# Altium PCB Generic_PCB.PcbDoc (part 1 of 2) (continued)
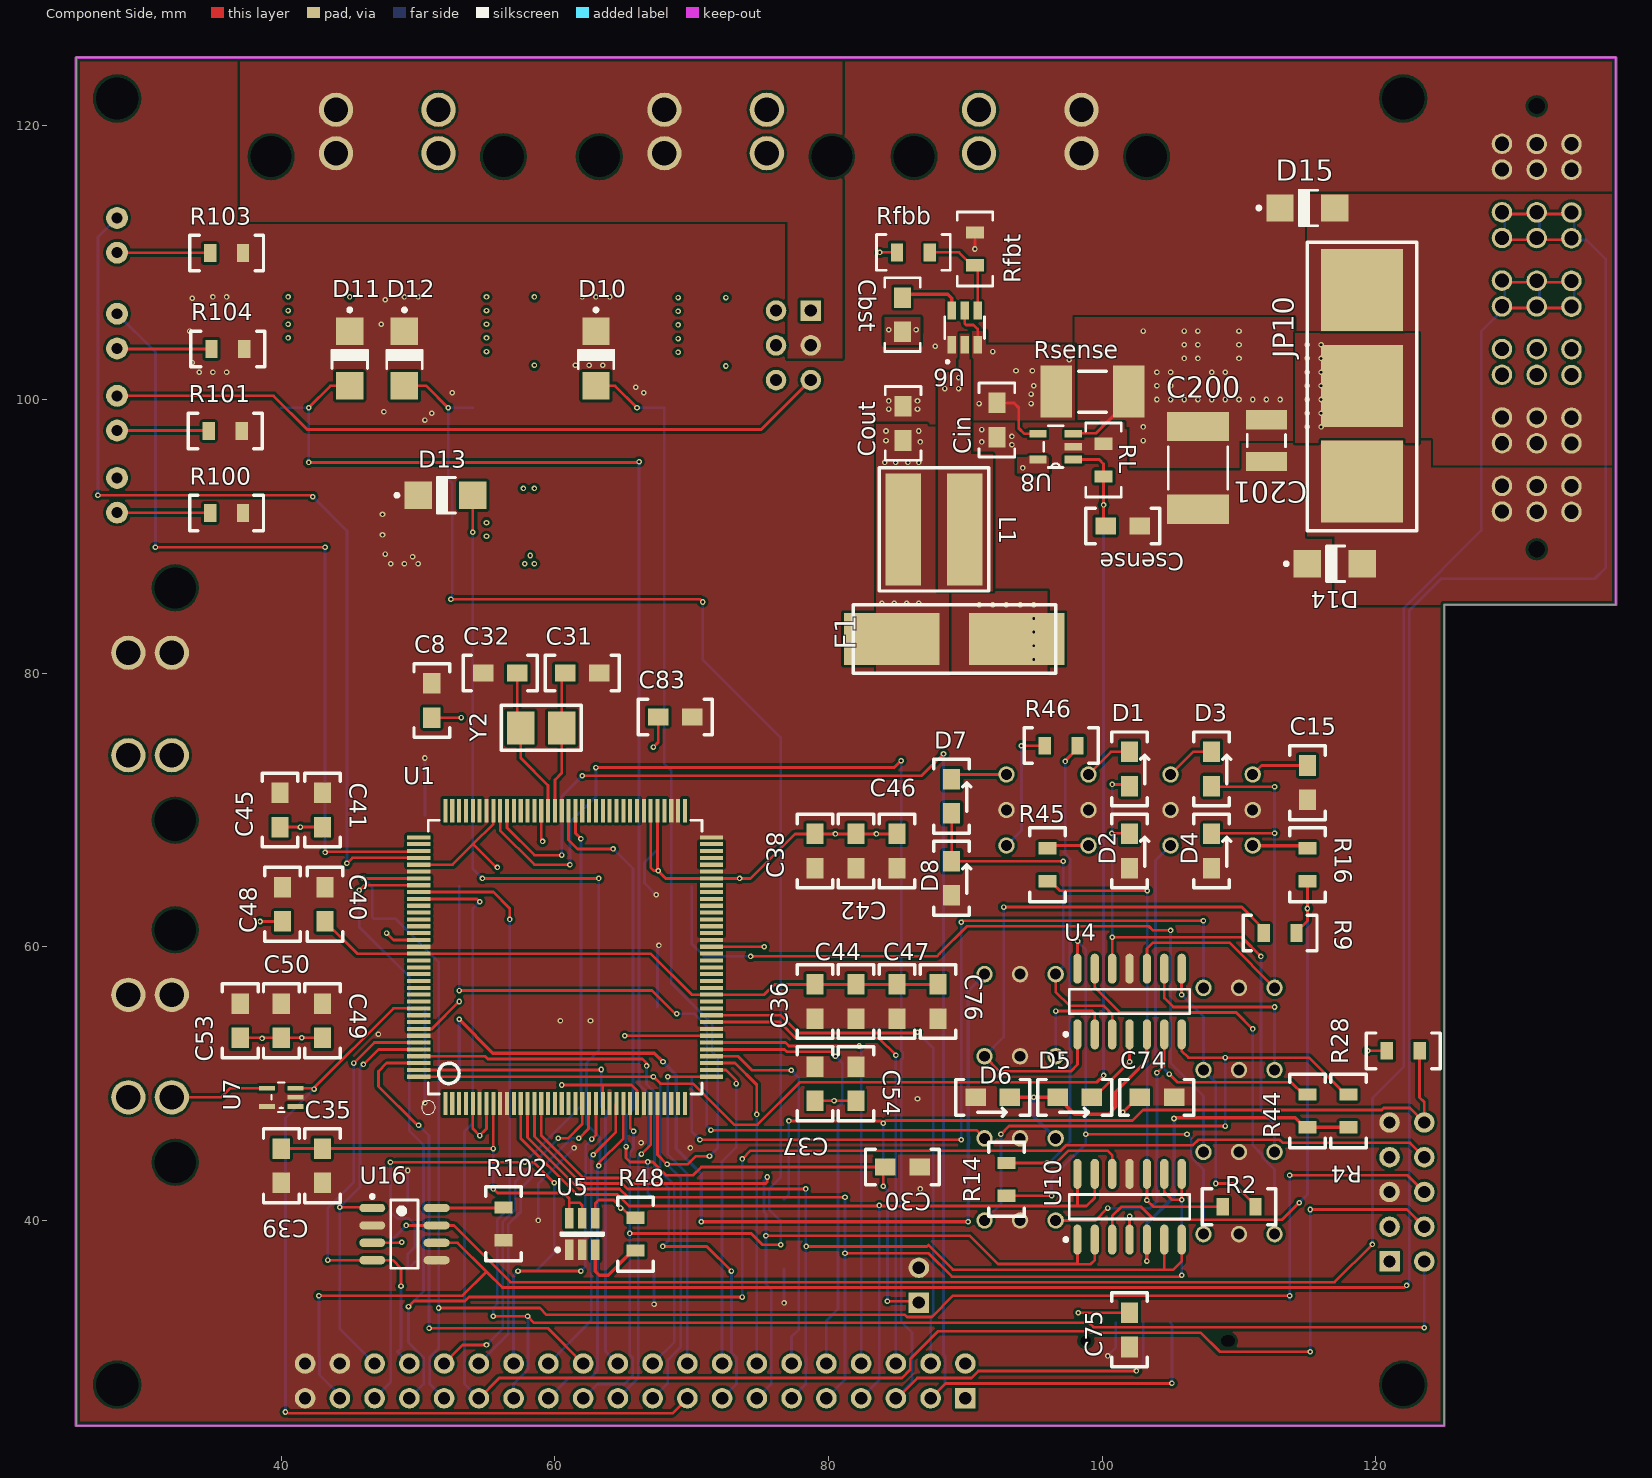
[diagram p0: Component Side view]
## Components (designator, comment, footprint, x,y, rotation, side; value= is the part's Value field where it differs from the comment) (continued)
CONN "TLPG5600" TLPR5600 28,112 r180 bottom
Cout "0805 Cap" "0805 Cap" 85.45,98.255 r90 top value=47uF
Csense "0805 Cap" "0805 Cap" 101.5,90.75 r0 top value=100nF
D1 "SD0805S040S0R5" "0805 Diode" 102,73 r270 top
D2 "SD0805S040S0R5" "0805 Diode" 102,67 r270 top
D3 "SD0805S040S0R5" "0805 Diode" 108,73 r270 top
D4 "SD0805S040S0R5" "0805 Diode" 108,67 r270 top
D5 "SD0805S040S0R5" "0805 Diode" 98,49 r180 top
D6 "SD0805S040S0R5" "0805 Diode" 92,49 r180 top
D7 "SD0805S040S0R5" "0805 Diode" 89,71 r270 top
D8 "SD0805S040S0R5" "0805 Diode" 89,65 r270 top
D10 "1SMA10CAT3G" ONSC-SMA-2-403D-02_F_V 63,103 r270 top
D11 "1SMA10CAT3G" ONSC-SMA-2-403D-02_F_V 45,103 r270 top
D12 "1SMA10CAT3G" ONSC-SMA-2-403D-02_F_V 49,103 r270 top
D13 "1SMA10CAT3G" ONSC-SMA-2-403D-02_F_V 52,93 r0 top
D14 "1SMA24CAT3G" ONSC-SMA-2-403D-02_F_V 117,88 r0 top
D15 "1SMA24CAT3G" ONSC-SMA-2-403D-02_F_V 115,114 r0 top
F1 "0154003.DR" 0154003.DR 86,82.5 r180 top
F2 "3587-15TR" 3587-15TR 111,101 r180 bottom
J1 "Header 5X2" HDR2X5 121,37 r90 bottom
JP1 "Header 2" HDR1X2 86.6,34 r90 bottom
JP10 "Bridge" "SOLDER JOINT" 119,101 r90 top
L1 "SRN8040-2R2Y" SRN8040 87.7,90.505 r0 top value=22uH
P1 "Header 20X2" HDR2X20 90,27 r180 bottom
P4 "MPT" MPT 126.37,105.25 r90 bottom
P5 "3 Pin Connector" "XA CONNECTOR" 70,67 r180 bottom
P6 "3 Pin Connector" "XA CONNECTOR" 70,53 r180 bottom
P7 "3 Pin Connector" "XA CONNECTOR" 53,67 r180 bottom
P8 "3 Pin Connector" "XA CONNECTOR" 53,53 r180 bottom
P9 "3 Pin Connector" "XA CONNECTOR" 68,102 r180 bottom
P10 "3 Pin Connector" "XA CONNECTOR" 40,102 r180 bottom
P11 "3 Pin Connector" "XA CONNECTOR" 54,102 r180 bottom
P12 "3 Pin Connector" "XA CONNECTOR" 54,88 r180 bottom
P17 "4 Pin Header" "PA CONNECTOR" 103,31 r180 bottom
P19 "Molex 0431600102" "Molex 0431600102" 32,74 r270 bottom
P20 "Molex 0431600102" "Molex 0431600102" 44,118 r180 bottom
P21 "Molex 0431600102" "Molex 0431600102" 32,49 r270 bottom
P22 "Molex 0431600102" "Molex 0431600102" 68,118 r180 bottom
P23 "Molex 0431600102" "Molex 0431600102" 91,118 r180 bottom
P27 "Header 3X2" HDR2X3 78.7,106.5 r270 bottom
PWR "TLPR5600" TLPR5600 28,93 r180 bottom
R2 "0805 Resistor" "0805 Resistor" 110,41 r0 top value=100K
R4 "0805 Resistor" "0805 Resistor" 118,48 r90 top value=100K
R9 "0805 Resistor" "0805 Resistor" 113,61 r180 top value=100K
R14 "0805 Resistor" "0805 Resistor" 93,43 r270 top value=100K
R16 "0805 Resistor" "0805 Resistor" 115,66 r90 top value=100K
R28 "0805 Resistor" "0805 Resistor" 122,52.4 r0 top value=10K
R44 "0805 Resistor" "0805 Resistor" 115,48 r90 top value=100K
R45 "0805 Resistor" "0805 Resistor" 96,66 r90 top value=100K
R46 "0805 Resistor" "0805 Resistor" 97,74.7 r180 top value=100K
R48 "0805 Resistor" "0805 Resistor" 65.9,39 r90 top value=10K
R100 "0805 Resistor" "0805 Resistor" 36,91.7 r180 top value=100R
R101 "0805 Resistor" "0805 Resistor" 35.9,97.7 r0 top value=100R
R102 "0805 Resistor" "0805 Resistor" 56.25,39.75 r270 top value=100K
R103 "0805 Resistor" "0805 Resistor" 36,110.7 r0 top value=100
R104 "0805 Resistor" "0805 Resistor" 36.1,103.7 r0 top value=100
Rfbb "0805 Resistor" "0805 Resistor" 86.2,110.755 r0 top value=10K
Rfbt "33.2K" "0805 Resistor" 90.7,111.005 r90 top
RL "0805 Resistor" "0805 Resistor" 100.1,95.578 r90 top value=150K
Rsense "PMR100HZPFU5L00" PMR100HZPFU5L00 99.3,100.578 r180 top value=0.005R
Rshift1 "1-1623849-0" "4290 SERIES TRIMMER" 111,70 r90 bottom
Rshift2 "1-1623849-0" "4290 SERIES TRIMMER" 105,70 r90 bottom
Rshift3 "1-1623849-0" "4290 SERIES TRIMMER" 99,70 r90 bottom
Rshift4 "1-1623849-0" "4290 SERIES TRIMMER" 93,70 r90 bottom
SMALL1 "1-1623849-0" "4290 SERIES TRIMMER" 94,58 r180 bottom
SMALL2 "1-1623849-0" "4290 SERIES TRIMMER" 94,46 r180 bottom
SMALL3 "1-1623849-0" "4290 SERIES TRIMMER" 110,57 r180 bottom
SMALL4 "1-1623849-0" "4290 SERIES TRIMMER" 110,45 r180 bottom
SW1 "B3S-1000P" B3S-1000P 54,39 r180 bottom
SW6 "B3S-1000P" B3S-1000P 72,39 r180 bottom
U1 "TM4C123GH6PGE" TM4C123GH6PGE 60.75,59.25 r90 top
U4 "TLV2374IDR" TI-D14_N 102,56 r90 top
U5 "REF3230AIDBVT" TI-DBV6_N 62,39 r90 top
U6 "TPS563200DDCR" SOT95P280X110-6N 89.95,105.255 r90 top
U7 "TMP20AIDCKR" TMP20AIDCKR 40,49 r180 top
U8 "INA138NA/250" SOT95P280X145-5N 96.6,96.553 r180 top
U10 "TLV2374IDR" TI-D14_N 102,41 r90 top
U16 "SN65HVD233DR" D8_L 49,39 r0 top
USER "TLPG5600" TLPR5600 28,105 r180 bottom
VIN "TLPR5600" TLPR5600 28,99 r180 bottom
Y2 "16MHz" NX5032GA 59,76 r180 top

## Footprints (in the part's own frame and the unit in brackets; to place one, negate y for a bottom-side part, rotate by r counter-clockwise, add the part's x,y. Pads: shape width x height; smd on the part's side, far side on the other; paste and mask are expansions set on the pad)
"0805 Cap" [mm] "0805 Capacitor"
  rect 1.5x1.25 smd: 1(1.25,0) 2(-1.25,0)
  silkscreen extent -2.7,-1.3 2.7,1.3, body extent -1,-0.63 1.1,0.63, height 0.9
"0805 Diode" [mm]
  rect 1.5x1.25 smd: 1(1.25,0) 2(-1.25,0)
  silkscreen extent -2.7,-1.3 2.7,1.4, body extent -1,-0.63 1.1,0.63, height 0.9
"0805 Resistor" [mm] "0805 Resistor"
  rect 0.9x1.3 smd: 1(1.2,0) 2(-1.2,0)
  silkscreen extent -2.7,-1.3 2.7,1.3, body extent -1,-0.63 1.1,0.63, height 0.6
3587-15TR [mm] "FUSE HOLDER BLADE 20A SMD (SMT)"
  rect 1.57x2.82 smd: 1(6.73,-3.16) 1(6.73,3.16) 2(-6.73,-3.16) 2(-6.73,3.16)
  silkscreen extent -10,-5 10,5, body extent -9.95,-4.42 9.86,4.34, height 7.89
"4290 SERIES TRIMMER" [mm]
  round 1.2 hole 0.8: 1(2.6,0) 2(0,0) 3(-2.6,0)
  silkscreen extent -5,-2.5 5,2.5, body extent -4.75,-2.35 4.75,2.35, height 11.5
0154003.DR [mm] "FUSE BOARD MNT 3A 125VAC/VDC SMD"
  rect 7x3.81 smd: 1(1.388,0) 2(-7.76,0)
  silkscreen extent -10.6,-2.5 4.2,2.5, body extent -10.63,-2.5 4.23,2.53, height 3.86
B3S-1000P [mm]
  rect 1.55x1.3 smd: 1(-4.75,-2.55) 1(4.75,-2.55) 2(-4.75,2.55) 2(4.75,2.55)
  silkscreen extent -6.1,-4 6,4.1, body extent -4.5,-3.3 4.5,3.3, height 4.4
CAPC3528X21N [mm] "Chip Capacitor, 2-Leads, Body 3.50x2.80mm, IPC Medium Density"
  rect 1.4x3 smd: 1(-1.525,0) 2(1.525,0)
  silkscreen extent -0.45,-1.4 0.45,1.4, body extent -1.85,-1.5 1.85,1.5, height 2.1
CAPC7344X31N [mm] "Chip Capacitor, 2-Leads, Body 7.30x4.35mm, IPC Medium Density"
  rect 2.15x4.55 smd: 1(-3.025,0) 2(3.025,0)
  silkscreen extent -1.55,-2.18 1.55,2.17, body extent -3.75,-2.25 3.75,2.25, height 3.1
D8_L [mm] "SOIC, 8-Leads, Body 4.9x3.9mm, Pitch 1.27mm, IPC High Density"
  oval 1.9x0.6 smd: 1(-2.35,1.905) 2(-2.35,0.635) 3(-2.35,-0.635) 4(-2.35,-1.905) 5(2.35,-1.905) 6(2.35,-0.635) 7(2.35,0.635) 8(2.35,1.905)
  silkscreen extent -2.47,-2.5 1,2.88, body extent -2,-2.5 2,2.5, height 1.75
HDR1X2 [mm] "Connector; Header; 2 Position"
  rect 1.5x1.5 hole 0.9: 1(0,0)
  round 1.5 hole 0.9: 2(2.54,0)
  silkscreen extent -1.27,-1.27 3.81,1.27
HDR2X3 [mm] "Connector; Header; 3x2 Position"
  rect 1.5x1.5 hole 0.9: 1(0,0)
  round 1.5 hole 0.9: 2(0,2.54) 3(2.54,0) 4(2.54,2.54) 5(5.08,0) 6(5.08,2.54)
  silkscreen extent -1.27,-1.27 6.35,3.81
HDR2X5 [mm] "Connector; Header; 5x2 Position"
  rect 1.5x1.5 hole 0.9: 1(0,0)
  round 1.5 hole 0.9: 2(0,2.54) 3(2.54,0) 4(2.54,2.54) 5(5.08,0) 6(5.08,2.54) 7(7.62,0) 8(7.62,2.54) 9(10.16,0) 10(10.16,2.54)
  silkscreen extent -1.27,-1.27 11.43,3.81
HDR2X20 [mm] "Connector; Header; 20x2 Position"
  rect 1.5x1.5 hole 0.9: 1(0,0)
  round 1.5 hole 0.9: 2(0,2.54) 3(2.54,0) 4(2.54,2.54) 5(5.08,0) 6(5.08,2.54) 7(7.62,0) 8(7.62,2.54) 9(10.16,0) 10(10.16,2.54) 11(12.7,0) 12(12.7,2.54) 13(15.24,0) 14(15.24,2.54) 15(17.78,0) 16(17.78,2.54) 17(20.32,0) 18(20.32,2.54) 19(22.86,0) 20(22.86,2.54) 21(25.4,0) 22(25.4,2.54) 23(27.94,0) 24(27.94,2.54) 25(30.48,0) 26(30.48,2.54) 27(33.02,0) 28(33.02,2.54) 29(35.56,0) 30(35.56,2.54) 31(38.1,0) 32(38.1,2.54) 33(40.64,0) 34(40.64,2.54) 35(43.18,0) 36(43.18,2.54) 37(45.72,0) 38(45.72,2.54) 39(48.26,0) 40(48.26,2.54)
  silkscreen extent -1.27,-1.27 49.53,3.81
"Molex 0431600102" [mm] "CONN HDR 2POS 7.50MM PCB SLDR"
  round 2.5 hole 3: 0(-12.24,-0.25) 0(4.75,-0.25)
  round 2.5 hole 1.78: 1(0,0) 1(0,3.18) 2(-7.49,0) 2(-7.49,3.18)
  silkscreen extent -14.33,-6 6.8,6.83, body extent -14.29,-6.56 6.8,6.82, height 14.38
MPT [mm] "MPT-06-01-01-T-RA-LC"
  round 1 hole 1.19: 0(-16.2,5.39) 0(16.2,5.39)
  round 1.5 hole 1.04: 1(-13.46,7.93) 1(-13.45,5.39) 1(-13.44,2.85) 1(-11.58,7.93) 1(-11.57,5.39) 1(-11.56,2.85) 2(-8.46,7.93) 2(-8.45,5.39) 2(-8.44,2.85) 2(-6.58,7.93) 2(-6.57,5.39) 2(-6.56,2.85) 3(-3.46,7.93) 3(-3.45,5.39) 3(-3.44,2.85) 3(-1.58,7.93) 3(-1.57,5.39) 3(-1.56,2.85) 4(1.54,7.93) 4(1.55,5.39) 4(1.56,2.85) 4(3.42,7.93) 4(3.43,5.39) 4(3.44,2.85) 5(6.54,7.93) 5(6.55,5.39) 5(6.56,2.85) 5(8.42,7.93) 5(8.43,5.39) 5(8.44,2.85) 6(11.54,7.93) 6(11.55,5.39) 6(11.56,2.85) 6(13.42,7.93) 6(13.43,5.39) 6(13.44,2.85)
  silkscreen extent -20,0 20,10, body extent -19.76,1.08 19.8,16.9, height 10.95
NX5032GA [mm] "NX5032GA"
  rect 2x2.4 smd: 1(-1.5,0) 2(1.5,0)
  silkscreen extent -2.92,-1.65 2.92,1.65
ONSC-SMA-2-403D-02_F_V [mm] "Molded, 2-Leads, Body 4.32x2.6mm"
  rect 2x2 smd: 1(-2,0) 2(2,0)
  silkscreen extent -3.67,-1.3 0.74,1.3, body extent -2.16,-1.3 2.16,1.3, height 2.2
"PA CONNECTOR" [mm]
  rect 1.8x3.7 smd: 0(-6.35,-3.2) 0(4.35,-3.2)
  rect 0x0 hole 0.8 slot 1 at 0 deg: 0(-6.2,0.2)
  rect 0x0 hole 0.8: 0(4.2,0.2)
  rect 1.1x3 smd: 1(-4,1.5) 2(-2,1.5) 3(0,1.5) 4(2,1.5)
  silkscreen extent -8,-5.5 6,3.5, body extent -7,-4.95 5,2.15, height 9
PMR100HZPFU5L00 [mm] "RES SMD 0.005 OHM 1% 2W 2512"
  rect 2.3x3.8 smd: 1(2.65,0) 2(-2.65,0)
  silkscreen extent -1,-1.5 1,1.5, body extent -3.9,-2 3.9,2, height 0.5
"SOLDER JOINT" [mm]
  rect 6x6 smd: 1(-7,0) 2(0,0) 3(7,0)
  silkscreen extent -10.6,-4 10.5,4
SOT95P280X110-6N [mm]
  rect 1.3x0.6 smd paste-25.4 mask-25.4: 1(-1.255,0.95) 2(-1.255,0) 3(-1.255,-0.95) 4(1.255,-0.95) 5(1.255,0) 6(1.255,0.95)
  silkscreen extent -2.6,-1.45 0.8,1.45
SOT95P280X145-5N [mil]
  rect 50x22 smd paste-1000 mask-1000: 1(-51,37) 2(-51,0) 3(-51,-37) 4(51,-37) 5(51,37)
  silkscreen extent -21,-60 34,60
SRN8040 [mm] "SRN8040 Series"
  rect 2.6x8.2 smd: 1(2.25,0)
  rect 2.6x8.2 smd paste+0: 2(-2.25,0)
  silkscreen extent -4,-4.5 4,4.5, body extent -4,-4 4,4, height 4
TI-D14_N [mm] "SOIC, 14-Leads, Body 8.65x3.9mm, Pitch 1.27mm, IPC Medium Density"
  oval 2.2x0.6 smd: 1(-2.4,3.81) 2(-2.4,2.54) 3(-2.4,1.27) 4(-2.4,0) 5(-2.4,-1.27) 6(-2.4,-2.54) 7(-2.4,-3.81) 8(2.4,-3.81) 9(2.4,-2.54) 10(2.4,-1.27) 11(2.4,0) 12(2.4,1.27) 13(2.4,2.54) 14(2.4,3.81)
  silkscreen extent -2.52,-4.4 0.9,4.78, body extent -2,-4.38 2,4.38, height 1.75
TI-DBV6_N [mm] "SOT-23, 6-Leads, Body 2.90x1.60mm, Pitch 0.95mm, IPC Medium Density"
  rect 1.5x0.6 smd: 1(-1.15,0.95) 2(-1.15,0) 3(-1.15,-0.95) 4(1.15,-0.95) 5(1.15,0) 6(1.15,0.95)
  silkscreen extent -1.27,-1.55 0.1,1.92, body extent -0.87,-1.52 0.87,1.53, height 1.45
TLPR5600 [mm] "LED RED DIFF ROUND T/H R/A"
  round 1.6 hole 0.8: 1(0,1.27) 2(0,-1.27)
  silkscreen extent -2,-2.5 3.02,2.5, body extent -2,-2.5 3.1,2.5, height 5
TM4C123GH6PGE [mm] "TM4C123GH6PGE"
  rect 1.7x0.3 smd: 1(-10.7,8.75) 2(-10.7,8.25) 3(-10.7,7.75) 4(-10.7,7.25) 5(-10.7,6.75) 6(-10.7,6.25) 7(-10.7,5.75) 8(-10.7,5.25) 9(-10.7,4.75) 10(-10.7,4.25) 11(-10.7,3.75) 12(-10.7,3.25) 13(-10.7,2.75) 14(-10.7,2.25) 15(-10.7,1.75) 16(-10.7,1.25) 17(-10.7,0.75) 18(-10.7,0.25) 19(-10.7,-0.25) 20(-10.7,-0.75) 21(-10.7,-1.25) 22(-10.7,-1.75) 23(-10.7,-2.25) 24(-10.7,-2.75) 25(-10.7,-3.25) 26(-10.7,-3.75) 27(-10.7,-4.25) 28(-10.7,-4.75) 29(-10.7,-5.25) 30(-10.7,-5.75) 31(-10.7,-6.25) 32(-10.7,-6.75) 33(-10.7,-7.25) 34(-10.7,-7.75) 35(-10.7,-8.25) 36(-10.7,-8.75) 73(10.7,-8.75) 74(10.7,-8.25) 75(10.7,-7.75) 76(10.7,-7.25) 77(10.7,-6.75) 78(10.7,-6.25) 79(10.7,-5.75) 80(10.7,-5.25) 81(10.7,-4.75) 82(10.7,-4.25) 83(10.7,-3.75) 84(10.7,-3.25) 85(10.7,-2.75) 86(10.7,-2.25) 87(10.7,-1.75) 88(10.7,-1.25) 89(10.7,-0.75) 90(10.7,-0.25) 91(10.7,0.25) 92(10.7,0.75) 93(10.7,1.25) 94(10.7,1.75) 95(10.7,2.25) 96(10.7,2.75) 97(10.7,3.25) 98(10.7,3.75) 99(10.7,4.25) 100(10.7,4.75) 101(10.7,5.25) 102(10.7,5.75) 103(10.7,6.25) 104(10.7,6.75) 105(10.7,7.25) 106(10.7,7.75) 107(10.7,8.25) 108(10.7,8.75)
  rect 0.3x1.7 smd: 37(-8.75,-10.7) 38(-8.25,-10.7) 39(-7.75,-10.7) 40(-7.25,-10.7) 41(-6.75,-10.7) 42(-6.25,-10.7) 43(-5.75,-10.7) 44(-5.25,-10.7) 45(-4.75,-10.7) 46(-4.25,-10.7) 47(-3.75,-10.7) 48(-3.25,-10.7) 49(-2.75,-10.7) 50(-2.25,-10.7) 51(-1.75,-10.7) 52(-1.25,-10.7) 53(-0.75,-10.7) 54(-0.25,-10.7) 55(0.25,-10.7) 56(0.75,-10.7) 57(1.25,-10.7) 58(1.75,-10.7) 59(2.25,-10.7) 60(2.75,-10.7) 61(3.25,-10.7) 62(3.75,-10.7) 63(4.25,-10.7) 64(4.75,-10.7) 65(5.25,-10.7) 66(5.75,-10.7) 67(6.25,-10.7) 68(6.75,-10.7) 69(7.25,-10.7) 70(7.75,-10.7) 71(8.25,-10.7) 72(8.75,-10.7) 109(8.75,10.7) 110(8.25,10.7) 111(7.75,10.7) 112(7.25,10.7) 113(6.75,10.7) 114(6.25,10.7) 115(5.75,10.7) 116(5.25,10.7) 117(4.75,10.7) 118(4.25,10.7) 119(3.75,10.7) 120(3.25,10.7) 121(2.75,10.7) 122(2.25,10.7) 123(1.75,10.7) 124(1.25,10.7) 125(0.75,10.7) 126(0.25,10.7) 127(-0.25,10.7) 128(-0.75,10.7) 129(-1.25,10.7) 130(-1.75,10.7) 131(-2.25,10.7) 132(-2.75,10.7) 133(-3.25,10.7) 134(-3.75,10.7) 135(-4.25,10.7) 136(-4.75,10.7) 137(-5.25,10.7) 138(-5.75,10.7) 139(-6.25,10.7) 140(-6.75,10.7) 141(-7.25,10.7) 142(-7.75,10.7) 143(-8.25,10.7) 144(-8.75,10.7)
  silkscreen extent -11.5,-10 10,10.5, body extent -11.1,-11.1 11.1,11.1, height 1.45
TMP20AIDCKR [mil]
  rect 46x14 smd paste-1000 mask-1000: 1(-41,26) 2(-41,0) 3(-41,-26) 4(41,-26) 5(41,26)
  silkscreen extent -9,-42 28,42
"XA CONNECTOR" [mm] "2.5mm Pitch Crimp Style Connectors"
  rect 1.3x3.4 smd: 0(-5.4,-2.95) 0(-5.4,2.95) 0(5.4,-2.95) 0(5.4,2.95)
  rect 1.4x6.3 smd: 1(-2.5,2.6) 2(0,-2.6) 3(2.5,2.6)
  silkscreen extent -6.5,-6.25 6.5,6.25, body extent -6.25,-5.1 6.25,5.3, height 9.4

## Part data
BIG1 BIG2 BIG3 BIG4 Rshift1 Rshift2 Rshift3 Rshift4 SMALL1 SMALL2 SMALL3 SMALL4: "TRIMMER 10K OHM 0.5W TH", Supplier Part Number 1=A105870-ND, Supplier 1=Digikey
C30 C31 C32 C35 C36 C37 C38 C39 C40 C41 C42 C44 C45 C46 C47 C48 C49 C50 C53 C54 C76 C83: library part "0805 MLCC - NP0, 5%", "0805 MLCC - NP0, 5%"
  C30 C83: Supplier=Digikey, Supplier P/N=JMK212AB7106KG-T
C75 Cbst Cin Cout Csense: library part "0805 MLCC - X7R, 10%", "0805 MLCC - X7R, 10%", Supplier=Digikey
C200: "CAP TANT 100UF 20V 20% 2917", Supplier Part Number 1=478-6066-6-ND, Supplier 1=Digikey
C201: "CAP TANT 10UF 20V 20% 1411", Supplier Part Number 1=399-10119-1-ND, Supplier 1=Digikey
CONN USER: "LED GREEN DIFF ROUND T/H R/A", Supplier Part Number 1=TLPG5600-ND, Supplier 1=Digikey
D1 D2 D3 D4 D5 D6 D7 D8: "DIODE SCHOTTKY 40V 500MA 0805", Supplier Part Number 1=478-7802-1-ND, Supplier 1=Digikey
D10 D11 D12 D13: "400 W Peak Power Zener Transient Voltage Suppressor, 2-Pin SMA, Pb-Free, Tape and Reel", Manufacturer="On Semiconductor", Supplier Part Number 1=1SMA10CAT3GOSTR-ND, ComponentLink1Description="Manufacturer URL", ComponentLink1URL=http://www.onsemi.com/, ComponentLink2Description=Datasheet, ComponentLink2URL=http://www.onsemi.com/pub_link/Collateral/1SMA10CAT3-D.PDF, ComponentLink3Description="Package Specification", ComponentLink3URL=http://www.onsemi.com/pub_link/Collateral/1SMA5913BT3-D.PDF, DatasheetVersion="Rev. 12", Direction=Bidirectional, IR Max (uA)=2.5, Mounting Technology="Surface Mount", PackageDescription="2-Pin Small Molded Package, J-Bend Lead, Body 2.605 x 4.315 mm", PackageReference=SMA-2-403D-02_F, PackageVersion="Rev. F, 11/2008", Packing="Tape and Reel", PartNumber=1SMA10CAT3G, PPK Max (W)=400, RoHS=Pb-Free, Supplier 1=Digi-Key, Supplier 2=Digi-Key, Supplier 3=Digi-Key, Supplier 4=Farnell, Supplier 5=Farnell, Supplier 6=Newark, Supplier 7=Mouser, Supplier Part Number 2=1SMA10CAT3GOSCT-ND, Supplier Part Number 3=1SMA10CAT3GOSDKR-ND, Supplier Part Number 4=2369101, Supplier Part Number 5=1861236, Supplier Part Number 6=09R9802, Supplier Part Number 7=863-1SMA10CAT3G, V(BR) Typ (V)=11.69
D14 D15: "400 W Peak Power Zener Transient Voltage Suppressor, 2-Pin SMA, Pb-Free, Tape and Reel", Manufacturer="On Semiconductor", Supplier Part Number 1=1SMA24CAT3GOSCT-ND, ComponentLink1Description="Manufacturer URL", ComponentLink1URL=http://www.onsemi.com/, ComponentLink2Description=Datasheet, ComponentLink2URL=http://www.onsemi.com/pub_link/Collateral/1SMA10CAT3-D.PDF, ComponentLink3Description="Package Specification", ComponentLink3URL=http://www.onsemi.com/pub_link/Collateral/1SMA5913BT3-D.PDF, DatasheetVersion="Rev. 12", Direction=Bidirectional, IR Max (uA)=2.5, Mounting Technology="Surface Mount", PackageDescription="2-Pin Small Molded Package, J-Bend Lead, Body 2.605 x 4.315 mm", PackageReference=SMA-2-403D-02_F, PackageVersion="Rev. F, 11/2008", Packing="Tape and Reel", PartNumber=1SMA24CAT3G, PPK Max (W)=400, RoHS=Pb-Free, Supplier 1=Digi-Key, Supplier 2=Digi-Key, Supplier 3=Digi-Key, Supplier 4=Newark, Supplier 5=Mouser, Supplier Part Number 2=1SMA24CAT3GOSTR-ND, Supplier Part Number 3=1SMA24CAT3GOSDKR-ND, Supplier Part Number 4=98H1006, Supplier Part Number 5=863-1SMA24CAT3G, V(BR) Typ (V)=28.11
F1: "FUSE BOARD MNT 3A 125VAC/VDC SMD", Supplier Part Number 1=F1226CT-ND, Supplier 1=Digikey
F2: "FUSE HOLDER BLADE 20A SMD (SMT)", Supplier Part Number 1=36-3587-15TR-ND, Supplier 1=Digikey
J1: "Header, 5-Pin, Dual row", LatestRevisionDate=17-Jul-2002, LatestRevisionNote="Re-released for DXP Platform.", Publisher="Altium Limited"
JP1: "Header, 2-Pin", LatestRevisionDate=17-Jul-2002, LatestRevisionNote="Re-released for DXP Platform.", Publisher="Altium Limited"
JP10: library part "Solder Bridge"
L1: "FIXED IND 2.2UH 6.3A 13 MOHM SMD", Supplier 1=Digikey
P1: "Header, 20-Pin, Dual row", LatestRevisionDate=17-Jul-2002, LatestRevisionNote="Re-released for DXP Platform.", Publisher="Altium Limited"
P4: "5.00 mm PowerStrip™/30 A Dual Blade Terminal Strip"
P5 P6 P7 P8 P9 P10 P11 P12: library part BM03B-XASS-TF(LF)(SN), "CONN HDR XA 3POS 2.5MM TIN SMD", Supplier Part Number 1=455-2023-6-ND, Supplier 1=Digikey
P17: library part BM04B-PASS-1-TFT(LF)(SN), "CONN HEADER PA 4POS TOP SMD", Supplier Part Number 1=455-2639-1-ND, Supplier 1=Digikey
P19 P20 P21 P22 P23: "CONN HDR 2POS 7.50MM PCB SLDR", Supplier Part Number 1=WM18473-ND, Supplier 1=Digikey
P27: "Header, 3-Pin, Dual row", LatestRevisionDate=17-Jul-2002, LatestRevisionNote="Re-released for DXP Platform.", Publisher="Altium Limited"
PWR VIN: "LED RED DIFF ROUND T/H R/A", Supplier Part Number 1=TLPR5600-ND, Supplier 1=Digikey
R2 R4 R9 R14 R16 R28 R44 R45 R46 R48 R100 R101 R102 R103 R104 Rfbb RL: library part "0805 Thick Film Resistor 1%", "0805 Thick Film Resistor 1%", Supplier=Digikey
Rfbt: library part P33.2KCCT-ND, "RES SMD 33.2K OHM 1% 1/8W 0805", Supplier Part Number 1=P33.2KCDKR-ND, Supplier 1=Digikey
Rsense: "RES SMD 0.005 OHM 1% 2W 2512", Supplier Part Number 1=RHM.005AUDKR-ND, Supplier 1=Digikey
SW1 SW6: "SWITCH TACTILE SPST-NO 0.05A 24V", Supplier Part Number 1=SW415-ND, Supplier 1=Digikey
U1: Supplier Part Number 1=296-35846-ND, Supplier 1=Digikey
U4 U10: "550 uA/Ch, 3 MHz, RRIO Operational Amplifier, 2.7 to 16 V, -40 to 125 degC, 14-pin SOIC (D14), Green (RoHS & no Sb/Br)", Manufacturer="Texas Instruments", Rating=Catalog, Supplier Part Number 1=296-11967-1-ND, Total Supply Voltage(Max)(+5V is 5, +/-5V is 10)=16, Total Supply Voltage(Min)(+5V is 5, +/-5V is 10)=2.7, CMRR(Min)(dB)=50, Code_JEDEC=MS-012, ComponentLink1Description="Manufacturer URL", ComponentLink1URL=http://www.ti.com/, ComponentLink2Description=Datasheet, ComponentLink2URL=http://www.ti.com/lit/ds/symlink/tlv2374.pdf, ComponentLink3Description="Package Specification", ComponentLink3URL=http://www.ti.com/lit/ml/mpds177g/mpds177g.pdf, DatasheetVersion=SLOS270D, Eco-Plan="Green (RoHS & no Sb/Br)", GBW(Typ)(MHz)=3, IIB(Max)(pA)=60, Iq per channel(Max)(mA)=0.66, Mounting Technology="Surface Mount", Number of Channels=4, Offset Drift(Typ)(uV/C)=2, PackageDescription="14-Pin Plastic Small Outline, Body 8.65 x 3.9 mm, Pitch 1.27 mm", PackageReference=D14, PackageVersion="4040047-5/M, 06/2011", Packing="LARGE T&R", PartNumber=TLV2374IDR, Slew Rate(Typ)(V/us)=2.4, Sub Family="Low Supply Voltage Amplifier (<=2.7V), Precision Amplifier", Supplier 1=Digi-Key, Supplier 2=Digi-Key, Supplier 3=Digi-Key, Supplier 4=Farnell, Supplier 5=Newark, Supplier 6=Mouser, Supplier Part Number 2=296-11967-2-ND, Supplier Part Number 3=296-11967-6-ND, Supplier Part Number 4=1535749, Supplier Part Number 5=76C7983, Supplier Part Number 6=595-TLV2374IDR, Vio (25C)(Max)(mV)=4.5
U5: "3.0 V, 4 ppm / degC, 100 uA Series (Bandgap) Voltage Reference, -40 to 125 degC, 6-pin SOT-23 (DBV), Green (RoHS & no Sb/Br)", Manufacturer="Texas Instruments", Rating=Catalog, Supplier Part Number 1=296-18228-1-ND, Temp Coeff(Max)(ppm/ degree C)=7, Temp Coeff(Typ)(ppm/ degree C)=4, Code_JEDEC=MO-178, ComponentLink1Description="Manufacturer URL", ComponentLink1URL=http://www.ti.com/, ComponentLink2Description=Datasheet, ComponentLink2URL=http://www.ti.com/general/docs/lit/getliterature.tsp?genericPartNumber=REF3230&fileType=pdf, ComponentLink3Description="Package Specification", ComponentLink3URL=http://www.ti.com/litv/pdf/mpds026h, DatasheetVersion=SBVS058C, Eco-Plan="Green (RoHS & no Sb/Br)", Initial Accuracy @ 25/deg C(%)=0.2, Iout/Iz(Max)(mA)=10, Iq(Max)(uA)=120, Mounting Technology="Surface Mount", PackageDescription="6-Pin Plastic Small Outline, Body 1.60 × 2.90 mm, Pitch 0.95 mm", PackageReference=DBV6, PackageVersion=4073253-5/K, PartNumber=REF3230AIDBVT, SubFamily="Series Voltage Reference", Supplier 1=Digi-Key, Supplier 2=Digi-Key, Supplier 3=Digi-Key, Supplier 4=Newark, Supplier 5=Mouser, Supplier Part Number 2=296-18228-2-ND, Supplier Part Number 3=296-18228-6-ND, Supplier Part Number 4=43K4074, Supplier Part Number 5=595-REF3230AIDBVT, VI(Max)(V)=5.5, VI(Min)(V)=3.05, VO(V)=3
U6: "17 V Input, 3A Synchronous Step-Down Regulator in SOT-23 with Advanced Eco-mode? 6-SOT -40 to 85", Package="TSOT-23 Texas Instruments", Availability=Good, MF="Texas Instruments", MP=TPS563200DDCR, Price="0.76 USD"
U7: "Temp Sensor Analog(Voltage) 5-Pin SC-70 T/R", Supplier Part Number 1=296-25569-1-ND, Supplier 1=Digikey
U8: "36-V, High-Side, Current Output Current Shunt Monitor 5-SOT-23 -40 to 125", Package="SOT-23-5 Texas Instruments", Availability=Good, MF="Texas Instruments", MP=INA138NA/250, Price="1.46 USD"
U16: "3.3V CAN Transceiver with Standby Mode, Loop-back, 6 mA, -40 to 125 degC, 8-pin SOIC (D), Green (RoHS & no Sb/Br)", Bus Fault Voltage(V)=+/-30, Drivers Per Package=1, Low Power Mode=Standby, Manufacturer="Texas Instruments", Rating=Catalog, Supplier Part Number 1=296-35967-1-ND, Supply Voltage(s)(V)=3.3, Code_JEDEC=MS-012AA, ComponentLink1Description=Datasheet, ComponentLink1URL=http://www.ti.com/general/docs/lit/getliterature.tsp?genericPartNumber=SN65HVD233&fileType=pdf, DatasheetVersion=SLLS557F, Eco-Plan="Green (RoHS & no Sb/Br)", Features="Loop Back", ICC(Max)(mA)=6, Isolated=No, Mounting Technology="Surface Mount", PackageDescription="8-Pin Plastic Small Outline Integrated Circuit, 4.9 x 3.9 mm, Pitch 1.27 mm Pitch", PackageReference=D8, PackageVersion="revM, Jun-2011", PartNumber=SN65HVD233DR, Receivers Per Package=1, SubFamily=CAN, Supplier 1=Digi-Key, Supplier 2=Newark, Supplier 3=Mouser, Supplier Part Number 2=61H5395, Supplier Part Number 3=595-SN65HVD233DR, Transient Pulse Protection(V)="-100 to 100"
Y2: library part NX5032GA-16.000000MHZ, Supplier Part Number 1=644-1037-1-ND, Supplier 1=Digikey
C15 C74: Supplier=Digikey, Supplier P/N=JMK212AB7106KG-T

## Free pads (board coordinates)
  round 2.5 hole 3.1: 0(28,28) 0(28,122) 0(122,28) 0(122,122)

## Via types
v1: diameter 0.406, hole 0.203, Component Side to Solder Side, 337 vias

## Nets (pads, with @x,y where several pads share a name; then routed paths per layer and width w, separated by ;. In a path a pad name is that pad's centre, name@x,y a point inside that pad or via, vN(x,y) a via of type N, cw(c..) or ccw(c..) an arc to the next point about the centre after c; other vN are vias at no path point)
+3_VREF: C35.2 C39.2 U1.8 U5.5 U5.6 | length 31
  Component Side w0.2: C39.2@40,45.25 C35.2@43,45.25 v1(55.5,45.25) U1.8@55.5,48.55 ; v1(55.5,42.3) 55.8,42 59.489,42 59.492,41.997 59.908,41.997 59.911,42 60.65,42 61.05,41.6 61.05,41.3 ; U5.6@61.05,40.15 61.05,41.3 ; U5.5@62,40.15 62,41.1 61.8,41.3 61.05,41.3
  Solder Side w0.2: v1(55.5,42.3) v1(55.5,45.25)
+3V3: C8.2 C15.2 C37.2 C38.2 C41.2 C42.2 C45.2 C46.2 C48.2 C49.2 C50.2 C53.2 C54.2 C74.1 C75.1 C83.2 D1.2 D3.2 D5.2 D7.2 F1.2 J1.1 P1.1 P1.2 P5.1 P6.1 P7.1 P8.1 P17.1 P19.1 P21.1 P27.1 PWR.1 R28.2 R48.1 Rshift1.1 Rshift2.1 Rshift3.1 Rshift4.1 U1.5 U1.7 U1.24 U1.29 U1.43 U1.56 U1.66 U1.77 U1.78 U1.94 U1.101 U1.113 U1.124 U1.137 U4.4 U5.4 U7.4 U8.5 U10.4 U16.3 | length 132.8
  Component Side w0.2: P21.1@32,49 35.6,49 36.26,49.66 U7.4@38.959,49.66 ; C53.2@37,53.35 C50.2@40,53.35 C49.2@43,53.35 ; v1(38.45,61.85) C48.2@40.1,61.85 ; C45.2@39.9,68.75 C41.2@43,68.75 ; U16.3@46.65,38.365 48.765,38.365 v1(48.8,38.4) ; v1(47.7,61) 48.2,60.5 U1.124@50.05,60.5 ; U1.137@50.05,54 51,54 v1(53,56) ; U1.113@50.05,66 52.525,66 54.025,67.5 ; C8.2@51,76.75 v1(53.15,76.75) ; U1.5@54,48.55 54,46.7 v1(54.5,46.2) 55,46.7 U1.7@55,48.55 ; U1.101@55.5,69.95 55.5,68.975 54.025,67.5 ; v1(55.8,65.8) 55.725,65.8 54.025,67.5 ; U1.94@59,69.95 59,67.8 v1(59.1,67.7) ; v1(60.5,49.9) 63.5,49.9 ; U5.4@62.95,40.15 62.95,41.25 63.2,41.5 64.3,41.5 65.6,40.2 R48.1@65.9,40.2 ; U1.24@63.5,48.55 63.5,49.9 ; v1(65.1,53.5) U1.43@71.45,53.5 ; U1.29@66,48.55 66,49.5 65.6,49.9 63.5,49.9 ; U1.78@67,69.95 67,65.8 67.25,65.55 v1(67.55,65.55) ; v1(67.2,74.6) 67.55,74.95 C83.2@67.55,76.8 ; U1.77@67.5,69.95 67.5,65.6 v1(67.55,65.55) ; U1.56@71.45,60 v1(75.3,60) ; C37.2@79,48.75 C54.2@82,48.75 ; C46.2@85,68.25 C42.2@82,68.25 v1(80.5,68.25) C38.2@79,68.25 77.55,68.25 74.3,65 U1.66@71.45,65 68.1,65 v1(67.55,65.55) ; D7.2@89,72.25 89.35,72.6 Rshift4.1@93,72.6 ; v1(98.25,33.25) C75.1@102,33.25 ; Rshift3.1@99,72.6 100.65,74.25 D1.2@102,74.25 ; D5.2@99.25,49 99.4,49 v1(102,51.6) U4.4@102,53.6 ; v1(101.5,47.9) 102.6,49 C74.1@102.75,49 ; U10.4@102,38.6 v1(102,40.3) ; Rshift2.1@105,72.6 106.65,74.25 D3.2@108,74.25 ; Rshift1.1@111,72.6 111.65,73.25 C15.2@115,73.25 ; v1(119.4,52.4) R28.2@120.8,52.4
  other v1: 64.8,40.9 80.4,48.75 38.6,53.3 41.5,53.35 73.5,65 83.5,68.25 41.4,68.75 95,81 95,82 95,83 95,84 91,85 92,85 93,85 94,85 95,85 94.2,95
+MCU_VDDC: C36.2 C40.2 C44.2 C47.2 C76.2 U1.49 U1.126 | length 47.3
  Component Side w0.2: C40.2@43.2,61.85 45.55,59.5 U1.126@50.05,59.5 67,59.5 70,56.5 U1.49@71.45,56.5 75.3,56.5 76.05,57.25 C36.2@79,57.25 C44.2@82,57.25 C47.2@85,57.25 C76.2@88,57.25
AIN4: Csense.2 P1.20 RL.2 U1.144 U8.1 | length 123.9
  Component Side w0.2: U1.144@50.05,50.5 v1(67.2,50.5) 67.703,49.997 70.103,49.997 73.1,47 74.8,47 77.9,50.1 99.6,50.1 v1(100.1,50.6) ; U8.1@97.895,95.613 99.787,95.613 100.1,95.3 RL.2@100.1,94.378 100.1,90.9 Csense.2@100.25,90.75
  Solder Side w0.2: P1.20@67.14,29.54 68.725,31.125 68.725,42.575 67.697,43.603 67.697,44.308 67.703,44.314 67.703,49.997 v1(67.2,50.5) ; v1(100.1,50.6) v1(100.1,92.3)
CANH: P1.35 P4.4 U16.7 | length 175.3
  Component Side w0.2: v1(49.135,39.635) U16.7@51.35,39.635 52.615,39.635 56.76,35.49 116.99,35.49 v1(119.75,38.25) ; P4.4@129.425,106.685 134.485,106.685 P4.4@134.505,106.665 ; P4.4@129.425,108.565 134.485,108.565 P4.4@134.505,108.545
  Solder Side w0.2: P1.35@46.82,27 48,28.18 48,36.539 47.997,36.542 47.997,36.958 48,36.961 48,38.5 v1(49.135,39.635) ; v1(119.75,38.25) 119.75,48.95 122.05,51.25 122.05,84.766 127.7,90.416 127.7,104.96 129.425,106.685 P4.4@129.425,108.565 ; P4.4@131.965,106.675 P4.4@131.965,108.555 ; P4.4@134.505,106.665 P4.4@134.505,108.545
CANL: P1.37 P4.5 U16.6 | length 199.8
  Component Side w0.2: v1(42.75,34.5) 42.753,34.503 53.253,34.503 55,36.25 ; U16.6@51.35,38.365 52.885,38.365 55,36.25 ; v1(122.25,35.25) 122.09,35.09 56.16,35.09 55,36.25 ; P4.5@129.25,113.74 P4.5@129.27,113.72 ; P4.5@129.425,111.685 134.485,111.685 P4.5@134.505,111.665 ; P4.5@129.425,113.565 134.485,113.565 P4.5@134.505,113.545
  Solder Side w0.2: v1(42.75,34.5) 42.75,30.055 42.79,30.015 42.79,28.71 44.28,27.22 P1.37@44.28,27 ; v1(122.25,35.25) 122.45,35.45 122.45,84.6 124.75,86.9 136,86.9 136.8,87.7 136.8,110.27 135.405,111.665 134.505,111.665 P4.5@134.505,113.545 ; P4.5@129.425,111.685 P4.5@129.425,113.565 ; P4.5@131.965,111.675 P4.5@131.965,113.555
GND: BIG1.2 BIG2.2 BIG3.2 BIG4.2 C8.1 C15.1 C30.1 C31.1 C32.1 C35.1 C36.1 C37.1 C38.1 C39.1 C40.1 C41.1 C42.1 C44.1 C45.1 C46.1 C47.1 C48.1 C49.1 C50.1 C53.1 C54.1 C74.2 C75.2 C76.1 C83.1 C200.1 C201.1 Cin.1 Cout.1 Csense.1 D2.1 D4.1 D6.1 D8.1 D10.1 D11.1 D12.1 D13.1 D14.1 D15.1 J1.5 J1.9 JP1.2 P1.38 P1.39 P1.40 P4.6 P5.3 P6.3 P7.3 P8.3 P9.3 P10.3 P11.3 P12.3 P17.4 P19.2 P20.2 P21.2 P22.2 P23.2 R100.2 R101.1 R102.1 R103.1 R104.1 Rfbt.1 RL.1 Rshift1.2 Rshift2.2 Rshift3.2 Rshift4.2 SMALL1.2 SMALL2.2 SMALL3.2 SMALL4.2 SW1.2 SW6.1 U1.6 U1.9 U1.10 U1.25 U1.30 U1.44 U1.57 U1.67 U1.72 U1.74 U1.75 U1.79 U1.91 U1.102 U1.114 U1.125 U1.138 U4.11 U5.1 U5.2 U6.1 U7.2 U7.5 U8.2 U10.11 U16.2 U16.5 | length 39.9
  Component Side w0.2: v1(90.7,111) Rfbt.1@90.7,112.205
  Solder Side w0.2: SW1.2@49.25,41.325 v1(49.25,43.65) ; v1(50.5,48.6) P8.3@50.5,55.6 ; P7.3@50.5,69.6 v1(50.5,73.8) ; v1(58.775,40) 58.775,42.675 v1(61.4,45.3) ; v1(67.25,33.875) SW6.1@67.25,36.45 ; v1(67.4,63.8) 66.55,64.65 66.55,66.15 67.5,67.1 P5.3@67.5,69.6 ; P6.3@67.5,55.6 67.5,60 v1(67.6,60.1) ; v1(76.75,33.975) SW6.1@76.75,36.45 ; v1(100.4,30.1) 101,30.7 P17.4@101,32.5
  other v1: 86.7,42.3 69.9,45.3 66.3,45.675 86.5,48.9 47.1,53.6 60.4,54.6 62.6,54.6 48,88 49,88 50,88 49.6,88.5 47.6,88.7 47.4,90.1 47.4,91.6 93.4,96.7 91.2,96.9 93.4,97.3 91.2,97.8 50.5,98.5 51,99 47.5,99.1 84.4,99.3 86.5,99.3 84.4,99.9 86.5,99.9 52.5,100.5 66.5,100.5 65.9,100.9 34,102 35,102 36,102 61.5,102.5 62.5,102.5 63.5,102.5 33.5,102.7 87.8,103.9 33.3,105 47.3,105.5 47.6,107.3 33.5,107.4 35,107.5 36,107.5 49,107.5 50,107.5 62,107.5 63,107.5 64,107.5
NetBIG1_1: BIG1.1 R9.1 U4.1 | length 41
  Component Side w0.2: BIG1.1@91.4,52 92.5,50.9 97.7,50.9 98.19,51.39 U4.1@98.19,53.6 ; v1(92.8,62.9) 110.2,62.9 111.8,61.3 R9.1@111.8,61
  Solder Side w0.2: BIG1.1@91.4,52 92.8,53.4 v1@92.8,62.8
NetBIG1_3: BIG1.3 U4.2 | length 7.8
  Component Side w0.2: v1(96.6,55.3) 99.3,55.3 99.46,55.14 U4.2@99.46,53.6
  Solder Side w0.2: BIG1.3@96.6,52 v1(96.6,55.3)
NetBIG2_1: BIG2.1 R4.1 U4.7 | length 43.2
  Component Side w0.2: v1(92.6,46.3) 93.2,46.9 v1(109,46.9) ; U4.7@105.81,53.6 105.81,52.39 106.3,51.9 v1(109,51.9) 115.1,51.9 117.8,49.2 R4.1@118,49.2
  Solder Side w0.2: BIG2.1@91.4,40 92.6,41.2 v1(92.6,46.3) ; v1(109,46.9) v1(109,51.9)
NetBIG2_3: BIG2.3 U4.6 | length 20.4
  Component Side w0.2: BIG2.3@96.6,40 99.5,40 v1(100.4,40.9) ; v1(104,50.8) 104.54,51.34 U4.6@104.54,53.6
  Solder Side w0.2: v1(100.4,40.9) 103.5,40.9 104,41.4 v1(104,50.8)
NetBIG3_1: BIG3.1 R2.1 U4.8 | length 20.4
  Component Side w0.2: v1(105.8,56.5) 105.8,58.39 U4.8@105.81,58.4 ; v1(108.3,42.7) 109.6,42.7 111.2,41.1 R2.1@111.2,41
  Solder Side w0.2: v1(105.8,56.5) 107.4,54.9 BIG3.1@107.4,51 108.3,50.1 v1(108.3,42.7)
NetBIG3_3: BIG3.3 U4.9 | length 15.1
  Component Side w0.2: U4.9@104.54,58.4 104.54,56.26 105.2,55.6 v1(112.6,55.6)
  Solder Side w0.2: BIG3.3@112.6,51 v1(112.6,55.6)